# Altium PCB cheriot-test.PcbDoc (part 9 of 10) (continued)
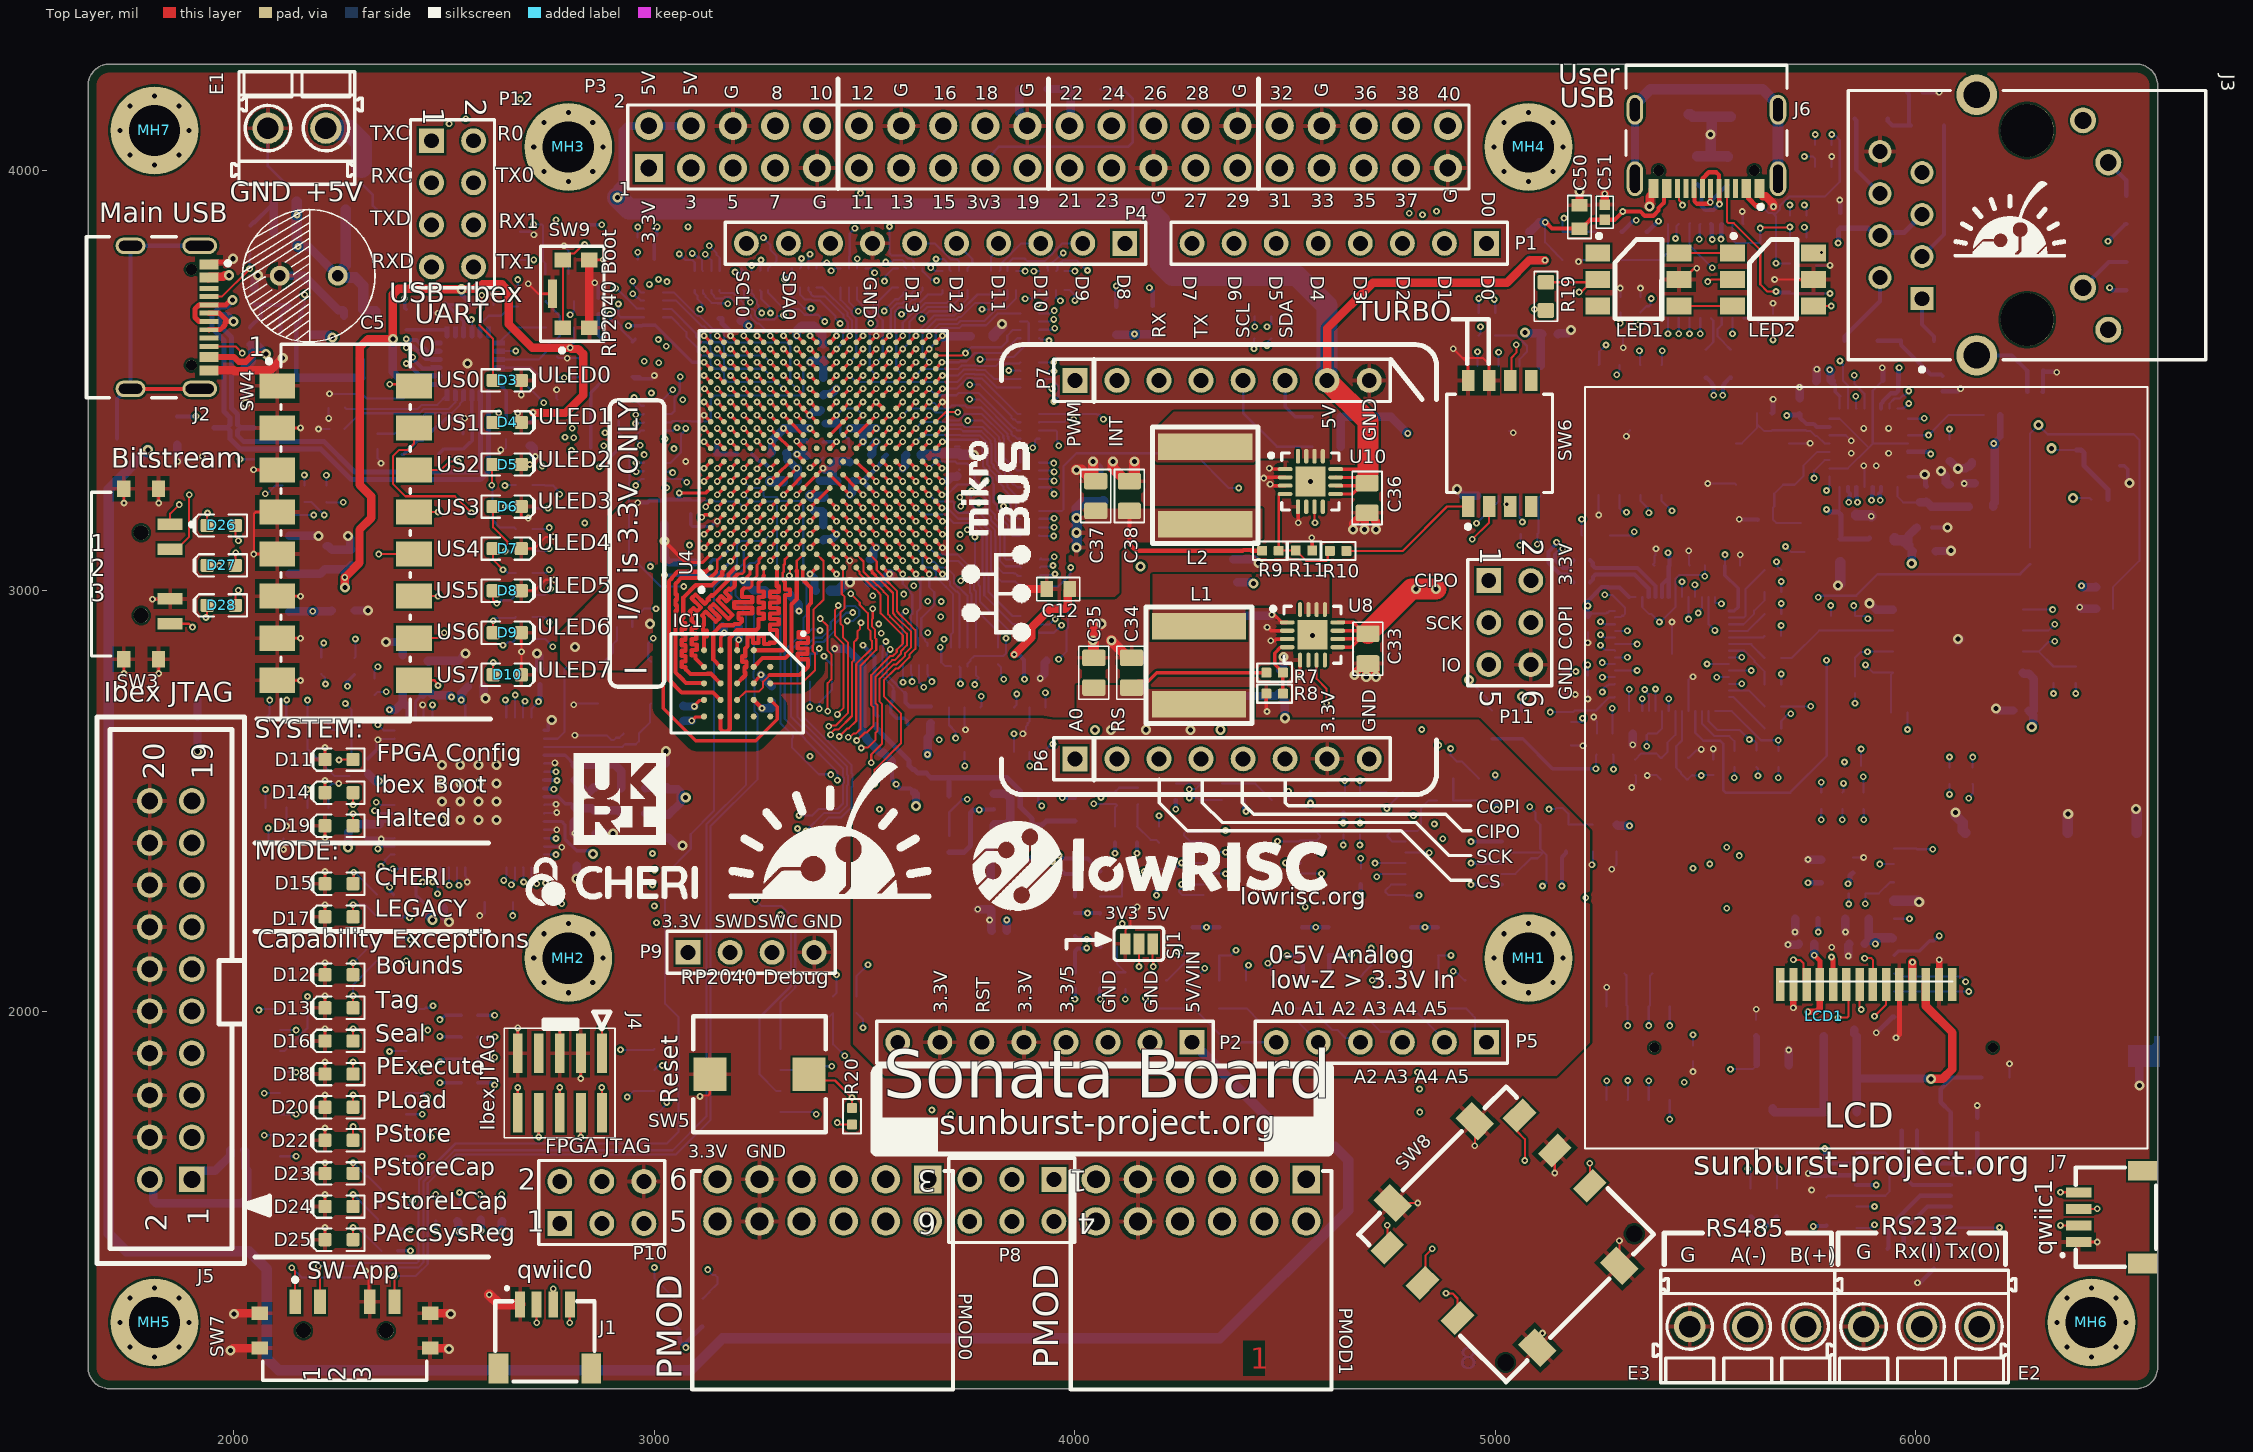
[diagram p0: Top Layer view]
## Nets (pads, with @x,y where several pads share a name; then routed paths per layer and width w, separated by ;. In a path a pad name is that pad's centre, name@x,y a point inside that pad or via, vN(x,y) a via of type N, cw(c..) or ccw(c..) an arc to the next point about the centre after c; other vN are vias at no path point) (continued)
  Bottom Layer w5: v1(5484.5,3835.58) 5485.85,3836.94 5485.85,3870.85 U13.4@5487.2,3872.2
USRUSB_SOFTCN: U4.H4 U13.2 | length 2606.5
  Top Layer w8: v1(3338.58,3133.86) U4.H4@3354.33,3149.61
  Int3 (Sign) w5: v1(3338.58,3133.86) 3354.08,3118.36 3439,3118.36 3448.64,3108.72 3448.64,3096.37 3458.3,3086.71 3470.64,3086.71 3480.32,3077.03 3480.32,3064.68 3490.02,3054.99 3502.36,3054.99 3512.06,3045.29 3512.06,3032.95 3537.62,3007.39 3599.32,3007.39 3610.44,2996.27 3635.21,2996.27 3643.94,3005 3742.77,3005 3749.68,3011.91 3886.03,3011.91 3890.55,3007.39 4026.68,3007.39 4107.98,3088.69 4107.98,3091.37 4136.98,3120.37 4139.66,3120.37 4454.29,3435 4701.51,3435 4829.19,3562.68 4829.19,3603.89 4980.3,3755 5345.81,3755 v1(5428.24,3837.43)
  Bottom Layer w5: v1(5428.24,3837.43) 5428.24,3840.41 5430.65,3842.82 5430.65,3866.83 U13.2@5436.02,3872.2
USRUSB_SPD: U4.G1 U13.10 | length 2792.4
  Top Layer w5: v1@3322.83,3033.68 v1(3321.08,3035.43) 3322.83,3037.19 U4.G1@3322.83,3055.12
  Int3 (Sign) w5: v1(3321.08,3035.43) 3354.82,3001.7 3356.91,3001.7 3359.24,2999.36 3359.24,2919.51 3367.58,2911.17 3367.58,2908.58 3376.66,2899.5 3386.15,2890.01 3432.99,2890.01 3446.5,2876.5 3473.48,2876.5 3480.56,2883.58 3487.64,2883.58 3495.38,2891.32 3508.22,2891.32 3515.97,2899.07 3515.97,2925.55 3526.8,2936.38 3586.4,2936.38 3587.38,2935.39 3646.98,2935.39 3682.24,2900.13 3701.42,2900.13 3703.61,2902.32 3846.93,2902.32 3902.6,2957.99 3943.43,2957.99 3943.71,2958.26 3964.83,2958.26 3965.11,2957.99 4019.7,2957.99 4137.98,3076.26 4137.98,3078.94 4149.4,3090.37 4152.08,3090.37 4466.72,3405 4713.93,3405 4756.24,3447.31 5243.98,3447.31 5358,3561.32 5358,3580.66 5404.02,3626.67 5548.47,3626.67 v1(5563.98,3611.17)
  Bottom Layer w5: v1(5563.98,3611.17) 5563.98,3618.14 U13.10@5563.98,3647.8
USRUSB_SUS: R32.1 U4.K2 U13.7 | length 2999.1
  Top Layer w5: v1(5629.92,3862.2) 5631.22,3863.51 5699.01,3863.51 v1(5700.32,3864.81)
  Top Layer w8: U4.K2@3417.32,3086.61 v1(3433.07,3070.87)
  Int3 (Sign) w5: v1(3433.07,3070.87) 3435.18,3068.76 3435.18,3059.19 3454.9,3039.46 3473.07,3039.46 3485.75,3026.79 3485.75,2998.77 3511.88,2972.64 3539.19,2972.64 3545.44,2966.39 3636.69,2966.39 3644.25,2958.83 3889.31,2958.83 3915.47,2985 4032.57,2985 4127.98,3080.41 4127.98,3083.09 4145.26,3100.37 4147.94,3100.37 4462.57,3415 4709.79,3415 4849.19,3554.4 4849.19,3595.6 4932.97,3679.39 4988.65,3679.39 4990.96,3677.08 5003.8,3677.08 5006.11,3679.39 5080.89,3679.39 5086.33,3684.83 5099.17,3684.83 5104.61,3679.39 5561.05,3679.39 5629.92,3748.26 v1(5629.92,3862.2)
  Bottom Layer w5: U13.7@5563.98,3872.2 5563.98,3834.65 5571.85,3826.77 5629.92,3826.77 v1(5629.92,3862.2) ; R32.1@5700.31,3840 5700.31,3857.85 v1(5700.32,3864.81)
USRUSB_V_N: U4.F6 U13.6 | length 3555.6
  Top Layer w8: v1(3275.59,3196.85) U4.F6@3291.34,3212.6
  Int1 (Sign) w6: v1(3275.59,3196.85) 3275.59,3235.03 3315.9,3275.34 3473.38,3275.34 3529.07,3331.04 3712.14,3331.04 3826.52,3445.42 3826.52,3457.7 3959.37,3590.55 4212.35,3590.55 4362.2,3740.41 4528.22,3740.41 4807.79,3460.84 4807.79,3395.75 4818.34,3385.2 4818.34,3362.83 4807.79,3352.28 4807.79,3324.59 4885,3247.37 4885,3236.72 4888.85,3232.86 4900.57,3221.15 4916.48,3221.15 4970.16,3167.47 4976,3167.47 5059.47,3084 5171.63,3084 5251.63,3164 5252.63,3164 5262,3173.37 5262,3174.37 5284.9,3197.27 5284.9,3197.77 5300.71,3213.58 5301.21,3213.58 5346.5,3258.87 5346.5,3551.62 5364.97,3570.08 5364.97,3577.06 5383.43,3595.52 5383.43,3670.63 5384.54,3671.73 5384.54,3684.99 5386.68,3687.13 5386.68,3773.24 5444.24,3830.81 5444.24,3833.51 5473.32,3862.58 5510.54,3862.58 5536.47,3836.65 v1(5536.47,3836.06)
  Bottom Layer w10: v1(5536.47,3836.06) 5537.24,3836.82 5537.24,3871.06 U13.6@5538.39,3872.2
USRUSB_V_P: U4.G6 U13.5 | length 3510.5
  Top Layer w8: v1(3307.09,3196.85) U4.G6@3322.83,3212.6
  Int1 (Sign) w6: v1(3307.09,3196.85) 3291.09,3212.85 3291.09,3234.97 3320.45,3264.34 3477.93,3264.34 3533.63,3320.04 3716.7,3320.04 3907.44,3510.78 3907.44,3523.06 3963.11,3578.74 4222.57,3578.74 4354.33,3710.5 4542.57,3710.5 4796.79,3456.29 4796.79,3391.2 4807.34,3380.64 4807.34,3367.39 4796.79,3356.84 4796.79,3295.59 5019.37,3073 5176.18,3073 5256.18,3153 5257.18,3153 5273,3168.82 5273,3169.82 5295.9,3192.71 5295.9,3193.21 5305.27,3202.58 5305.77,3202.58 5357.5,3254.32 5357.5,3547.06 5375.97,3565.53 5375.97,3572.5 5394.43,3590.97 5394.43,3666.07 5397.68,3669.32 5397.68,3768.69 5455.24,3826.25 5455.24,3828.95 5477.87,3851.58 5498.92,3851.58 v1(5515.5,3835)
  Bottom Layer w10: U13.5@5512.8,3872.2 5514.35,3870.65 5514.35,3836.15 v1(5515.5,3835)
USRUSB_VBUSDETECT: R23.2 R25.1 U4.K1 | length 4875.5
  Top Layer w8: U4.K1@3417.32,3055.12 v1(3433.07,3039.37)
  Int3 (Sign) w5: v1(3535.43,2480.32) 3561.67,2480.32 3574.67,2493.32 3574.67,2518.72 3579.83,2523.87 3581.22,2523.87 3590.3,2532.95 3590.3,2534.35 3650.69,2594.74 3656.03,2594.74 3665.11,2603.82 3665.11,2616.66 3661.67,2620.1 3661.67,2678.74 3667.93,2685 3678.83,2685 3680.99,2687.17 3693.83,2687.17 3696,2685 4023,2685 4035.79,2697.79 4048.75,2697.79 4417.17,3066.21 4417.17,3074.27 4519.89,3176.98 4533.36,3176.98 4631.87,3275.5 4901.42,3275.5 4901.92,3275 5027.92,3275 5032.89,3279.97 5251.42,3279.97 5282.52,3248.87 5429.7,3248.87 5456.82,3276 5510.06,3276 5630.69,3155.37 5630.69,3142.38 5683.58,3089.5 5749.5,3089.5 5769.5,3109.5 6001.42,3109.5 6050.5,3158.58 6050.5,3266.92 6040.5,3276.92 6040.5,3293.08 6050.5,3303.08 6050.5,3461.42 5941.92,3570 5930,3570 5860,3640 5860,3721.47 5813.91,3767.56 5813.91,3787.81 5767.81,3833.9 5748.68,3833.9 5733.6,3848.98 5728.43,3848.98 5719.35,3858.06 5719.35,3870.9 5724.19,3875.73 5724.19,3905.84 5719.32,3910.71 5719.32,3923.55 5724.19,3928.42 5724.19,3996.36 5740.32,4012.49 5740.32,4017.49 5736.92,4020.89 5736.92,4030.39 v1(5734.82,4032.49)
  Int4 (Sign) w5: v1(5734.82,4032.49) 5760.32,4057.99 v1(5760.32,4084.81)
  Int6 (Sign) w5: v1(3433.07,3039.37) 3433.07,3003.94 3459.89,2977.12 3464.36,2977.12 3491.81,2949.67 3491.81,2945.17 3507.87,2929.11 3507.87,2880.19 3511.56,2876.5 3511.56,2736.47 3531.5,2716.54 3531.5,2629.92 3541.5,2619.92 3541.5,2550.3 3541.14,2549.94 v1@3541.14,2480.32
  Bottom Layer w5: v1(3433.07,3039.37) v1@3433.66,3039.96 ; v1(5734.82,4032.49) 5754.81,4032.49 5760.31,4026.99 R25.1@5760.31,4007.68 ; R23.2@5760.31,4060 5760.31,4077.85 v1(5760.32,4084.81)
USRUSB_VMO: U4.G3 U13.14 | length 2770.1
  Top Layer w8: v1(3307.09,3102.36) U4.G3@3322.83,3118.11
  Int3 (Sign) w5: v1(3307.09,3102.36) 3305.72,3100.99 3305.72,3041.99 3305.58,3041.85 3305.58,3029.01 3305.72,3028.87 3305.72,2942.36 3368.07,2880.01 3397.81,2880.01 3411.98,2865.85 3411.98,2861.91 3413.63,2860.25 3413.63,2855.78 3422.71,2846.7 3427.18,2846.7 3435.86,2838.03 3586.04,2838.03 3593.01,2845 3816.76,2845 3919.74,2947.99 3947.57,2947.99 3947.85,2948.26 3960.69,2948.26 3960.97,2947.99 4023.84,2947.99 4114.15,3038.3 4164.05,3038.3 4315.08,3189.33 4315.08,3233.76 4476.32,3395 4718.08,3395 4760.38,3437.31 5248.13,3437.31 5338.46,3527.64 5378.08,3527.64 v1(5461.61,3611.17)
  Bottom Layer w5: v1(5461.61,3611.17) 5461.61,3618.14 U13.14@5461.61,3647.8
USRUSB_VPO: U4.G4 U13.13 | length 2855.1
  Top Layer w8: v1(3307.09,3133.86) U4.G4@3322.83,3149.61
  Int3 (Sign) w5: v1(3307.09,3133.86) 3291.59,3118.36 3291.59,3033.63 3293.13,3032.08 3293.13,2936.21 3387.78,2841.57 3387.78,2837.8 3396.86,2828.72 3400.62,2828.72 3401.31,2828.03 3590.18,2828.03 3597.15,2835 3820.9,2835 3849.56,2863.66 3953.66,2863.66 4118.3,3028.3 4168.2,3028.3 4325.08,3185.18 4325.08,3229.62 4480.46,3385 4722.22,3385 4764.53,3427.31 5252.27,3427.31 5342.6,3517.64 5393.67,3517.64 v1(5487.2,3611.17)
  Bottom Layer w5: v1(5487.2,3611.17) U13.13@5487.2,3647.8
VCC1V8: C14.1 C15.1 C16.1 C17.1 C18.1 C19.1 C20.1 C31.1 C32.1 C53.1 C66.1 C67.1 C68.1 C123.1 C127.1 C131.1 C132.1 C133.1 IC1.B4 IC1.D1 IC1.E4 L8.1 R30.2 R32.2 R211.1 U4.A7 U4.C3 U4.D6 U4.E8 U4.F2 U4.F12 U4.G5 U4.H12 U4.J1 U4.K12 U4.M12 U6.5 U6.23 U6.25 U6.30 U9.2 U9.4 U13.9 | length 5269.2
  Top Layer w8: v1(3059.06,3232.28) 3122.05,3232.28 U4.A7@3133.86,3244.09 ; v1@3093.8,2724.9 3107.81,2738.9 3116.85,2738.9 IC1.E4@3118.11,2740.16 ; IC1.D1@3157.48,2858.27 3157.48,2888.84 3166.46,2897.82 v1(3166.46,2899.98) ; v1(3181.1,3102.36) U4.C3@3196.85,3118.11 ; v1(3212.6,3196.85) U4.D6@3228.35,3212.6 ; v1(3244.09,3259.84) U4.E8@3259.84,3275.59 ; v1(3275.59,3070.87) U4.F2@3291.34,3086.61 ; v1(3275.59,3417.32) U4.F12@3291.34,3401.57 ; v1(3307.09,3165.35) U4.G5@3322.83,3181.1 ; v1(3338.58,3417.32) U4.H12@3354.33,3401.57 ; v1(3370.08,3039.37) U4.J1@3385.83,3055.12 ; U4.K12@3417.32,3401.57 v1(3433.07,3417.32) ; U4.M12@3480.32,3401.57 v1(3496.06,3417.32)
  Top Layer w10: IC1.B4@3236.22,2740.16 3236.22,2740 3255.78,2720.44 v1(3255.78,2720.28)
  Int4 (Sign) w12: v1(5660,3596.29) 5692.95,3563.34 v1(5692.95,3416.52)
  Int4 (Sign) w20: v1(5660,3596.29) 5706.53,3596.29 5734.82,3624.58 ; v1(5734.82,3917.13) 5734.82,3624.58 ; v1(5794.89,3525.65) 5794.89,3564.51 5734.82,3624.58 ; v1(6185,3350) 6060,3350 v1(6035,3325) 5986.02,3325 5972.44,3338.58 5972.44,3413.39 5960,3425.83 v1(5960,3530) 5960,3563.62 5899.04,3624.58 5734.82,3624.58
  Int4 (Sign) w25: v2(4155.98,3057.8) 4153.54,3060.23 4153.54,3089.66 4168.19,3104.3 4548.61,3104.3 4552.43,3100.48 4726.47,3100.48 4905.51,3279.53 5484.25,3279.53 5594.49,3389.76 5594.49,3551.18 5639.6,3596.29 v1(5660,3596.29)
  Int6 (Sign) w5: v1(3212.6,3196.85) 3228.35,3181.1 3291.34,3181.1
  Int6 (Sign) w8: 3291.34,3181.1 v1(3307.09,3165.35)
  Bottom Layer w5: C18.1@3084.26,3216.85 3086.36,3214.75 3141.29,3214.75 3143.68,3212.35 3197.1,3212.35 v1(3212.6,3196.85) ; v1(3433.07,3417.32) 3448.57,3432.82 3480.56,3432.82 v1(3496.06,3417.32) ; U13.9@5589.57,3647.8 5616.5,3647.8 5642.41,3621.89 C53.1@5660,3621.89 v1(5660,3596.29) ; v1(5734.82,3917.13) 5734.82,3916.5 5739.69,3911.63 5739.69,3910.16 R30.2@5739.69,3892.32 ; v1(5734.85,3864.48) 5734.85,3864.14 5739.69,3859.31 5739.69,3857.85 R32.2@5739.69,3840 ; U6.25@5818.66,3433.51 5818.66,3462.41
  Bottom Layer w6: v1(3433.07,3417.32) 3434.98,3415.41 3434.98,3400.95 3442.51,3393.43 3442.51,3374.82 3449.51,3367.83 3453.59,3367.83 3462.39,3359.03 3462.39,3343.13 C16.1@3464.57,3340.94
  Bottom Layer w8: 3055.12,3216.85 3057.52,3219.26 3057.52,3230.75 v1(3059.06,3232.28) ; C15.1@3132.28,3066.93 3138.67,3073.32 3152.06,3073.32 3152.5,3073.76 v1(3181.1,3102.36) ; C133.1@5799.55,3498.39 5808.15,3489.79 5808.15,3472.93 5818.66,3462.41
  Bottom Layer w10: v1(2960.5,3209) 2960.99,3209.49 2983.5,3209.49 2988.5,3214.49 C20.1@3023.62,3214.49 3025.98,3216.85 3055.12,3216.85 C18.1@3084.26,3216.85 ; C132.1@5725,3420 5725,3410.94 5739.65,3396.29 5757.25,3396.29 5764.33,3389.21 U6.23@5794.05,3389.21 ; U6.30@5917.09,3433.51 5917.09,3444.12 5922.06,3449.1 5922.06,3450.8 5940.68,3469.41 5952.25,3469.41 5958.11,3475.27 C131.1@5958.11,3500 ; U6.5@5981.07,3330.16 6029.84,3330.16 v1(6035,3325)
  Bottom Layer w12: v1(5692.95,3416.52) 5693.72,3417.29 5718.8,3417.29 C132.1@5723.33,3421.81 ; C131.1@5958.11,3500 5958.11,3527.03 5960,3528.92 v1(5960,3530)
  Bottom Layer w15: v1(6185,3350) 6185,3350.27 6200.79,3366.06 R211.1@6200.79,3417.32
  Bottom Layer w20: C68.1@3068.23,2725.89 3069.6,2724.52 v1(3095.19,2724.52) ; C67.1@3161.89,2915 3164.49,2912.4 3164.49,2901.95 v1(3166.46,2899.98) ; v1(3255.78,2720.28) 3279.53,2720.28 C66.1@3279.53,2736.22 ; C19.1@3322.52,2992.13 3322.52,2988.19 3343.74,2966.97 v1(3343.74,2951.7) ; v1(3370.08,3039.37) 3380.87,3028.58 3380.87,3002.6 C14.1@3383.46,3000 ; C17.1@3407.33,3397.63 3429.13,3397.63 3433.07,3401.57 ; v1(5794.89,3525.65) 5796.95,3523.59 5796.95,3500.99 C133.1@5799.55,3498.39 ; L8.1@6183.74,3200 6183.74,3205.51 6187.56,3209.33 C123.1@6187.56,3305 6187.56,3347.44 v1(6185,3350)
  other v2: 4048.01,2668.29 4346.46,2669.29 2811.02,2866.14 2989.5,2921.25
VCC_1V8A: C124.1 C128.1 L8.2 U6.9 | length 204.1
  Bottom Layer w5: U6.9@5956.46,3246.49 5956.46,3223.54 5970,3210 6008.78,3210
  Bottom Layer w20: 6008.78,3210 6023.11,3210 C128.1@6025,3211.89 6036.89,3200 L8.2@6126.26,3200
VCCINT: C6.1 C7.1 C8.1 C9.1 C10.1 C11.1 C12.1 C13.1 C37.1 C38.1 L2.2 R9.1 U4.F8 U4.F10 U4.G7 U4.G9 U4.G11 U4.H8 U4.J7 U4.J11 U4.K8 U4.L7 U4.L11 U4.M8 U4.M10 U4.N7 U4.N9 U4.N11 | length 1779.4
  Top Layer w8: v1(3275.59,3259.84) U4.F8@3291.34,3275.59 U4.G9@3322.83,3307.09 ; v1(3275.59,3355.54) 3275.59,3354.93 3291.34,3339.18 U4.F10@3291.34,3338.58 ; v1(3307.09,3228.35) U4.G7@3322.83,3244.09 U4.H8@3354.33,3275.59 ; v1(3307.09,3385.83) U4.G11@3322.83,3370.08 ; v1(3370.08,3227.14) 3370.08,3227.74 3385.83,3243.49 U4.J7@3385.83,3244.09 ; v1(3370.08,3385.83) U4.J11@3385.83,3370.08 ; U4.K8@3417.32,3275.59 U4.L7@3448.82,3244.09 v1(3464.57,3228.35) ; U4.L11@3448.82,3370.08 v1(3464.57,3385.83) ; U4.M8@3480.32,3275.59 v1(3496.06,3259.84) ; U4.M10@3480.32,3338.58 v1(3496.06,3354.33) ; U4.N7@3511.81,3244.09 v1(3527.56,3228.35) ; U4.N9@3511.81,3307.09 v1(3527.56,3291.34) ; U4.N11@3511.81,3370.08 v1(3527.56,3385.83)
  Top Layer w10: C38.1@4129.57,3189.57 4129.57,3110.43 4145,3095 4398.53,3095 4400.34,3096.8 4418.56,3096.8 4420.36,3095 R9.1@4445.31,3095
  Top Layer w20: v1(3855.98,2848.16) 3896.49,2888.67 3896.49,2912.24 3940.94,2956.69 3976.47,2956.69 3983.43,2963.64 3983.43,2999.17 C12.1@3988.19,3003.94
  Bottom Layer w10: v1(3855.98,2848.16) 3857.6,2848.16 3859.14,2846.63 3867.68,2846.63 3878.85,2835.45 3878.85,2790.65 v1(3880,2789.5)
  Bottom Layer w12: C8.1@3471.31,3260.61 3471.7,3260.23 3495.13,3260.23 v1@3495.79,3259.57 ; v1(3527.56,3228.35) v1(3496.06,3259.84) v1(3527.56,3291.34) 3544.98,3308.76 3544.98,3316.24 C9.1@3551.58,3322.83
  Bottom Layer w20: C7.1@3277.17,3326.77 3279.76,3329.37 3279.76,3357.47 3307.09,3384.8 v1(3307.09,3385.83) v1(3370.08,3385.83) ; v1(3464.57,3228.35) 3470.26,3234.04 3470.26,3259.55 C8.1@3471.31,3260.61 ; v1(3464.57,3385.83) 3496.06,3385.83 ; v1(3496.06,3354.33) 3496.06,3385.83 ; v1(3527.56,3385.83) 3496.06,3385.83
  Bottom Layer w25: v1(3275.59,3259.84) C6.1@3304.72,3259.84 ; v1(3370.08,3227.14) 3374.29,3222.93 3401.48,3222.93 C10.1@3401.57,3222.83 ; v2(4003.94,3102.36) v2(4003.94,3137.8) v2(4003.94,3173.23) 4003.94,3195.69 4018.58,3210.33 4064.67,3210.33 C13.1@4066.93,3212.6
VCCOPAMP: C97.1 C99.1 C101.1 C102.1 R82.2 U20.4 U21.4 U21.10 U21.12 | length 2066.9
  Int3 (Sign) w20: v1(4253.46,2352.63) 4393.53,2352.63 4416.53,2329.63 4556.61,2329.63 4577.02,2350.04 4590.89,2350.04 4604.56,2363.71 v1(4680,2363.71) 4759.94,2363.71 ; v1(5082,2486) 5056.19,2511.81 4807.09,2511.81 4771.65,2476.38 4771.65,2375.43 4759.94,2363.71 ; v1(5111.89,2297.81) 5010.41,2297.81 4980.31,2267.72 4889.76,2267.72 4793.77,2363.71 4759.94,2363.71
  Bottom Layer w5: v1(4165,2332) 4167.98,2332 4173.77,2337.8 C97.1@4194.19,2337.8 4238.62,2337.8 v1(4253.46,2352.63) U20.4@4305.83,2352.63 ; C99.1@4680,2338.11 v1(4680,2363.71) ; v1(4713.65,2352.15) U21.4@4786.58,2352.15 ; U21.12@5014.93,2326.56 5047.41,2326.56 5084.55,2363.7 5100.51,2363.7 5112.77,2375.97 C101.1@5112.77,2379.9 ; U21.10@5014.93,2377.74 5110.61,2377.74 C101.1@5112.77,2379.9 ; v1(5082,2486) 5095.75,2472.25 5095.75,2454.74 R82.2@5106.54,2443.95 5106.54,2386.14 C101.1@5112.77,2379.9 ; v1(5111.89,2297.81) 5114.7,2297.81 5121.89,2305 5121.89,2370.79 C101.1@5112.77,2379.9
VCCUSB3V3: C40.1 C41.1 C42.1 C43.1 C44.1 C45.1 C46.1 R15.1 R18.1 R72.2 R203.2 U2.2 U2.4 U12.1 U12.9 U12.18 | length 6591.5
  Top Layer w20: v2(2263.78,3007.87) v1(2263.78,3031.5) 2298.65,3066.37 2298.65,3145.11 2326.77,3173.23 2326.77,3224.41 2299.21,3251.97 2299.21,3578.74 2318.9,3598.43 v2(2377.95,3598.43) 2377.95,3704.82 2390.91,3717.77 2467.24,3717.77 2468.29,3716.72 v2(2540.91,3716.72) 2541.68,3717.48 2572.16,3717.48 2580.15,3725.47 2588.44,3725.47 2591.32,3728.35 2637.8,3728.35 2653.54,3712.6 2653.54,3633.86 2709.9,3577.5 v1(2799.5,3577.5) 2802.2,3574.8 2818.99,3574.8 2830.71,3563.09 2830.71,3464.57 2788.64,3422.5 2712.43,3422.5 v1(2711.24,3423.7)
  Int1 (Sign) w5: v2(2540.91,3716.72) 2540.91,3746.72 2532.97,3754.66 2532.97,4005.41 2560.53,4032.97 2585.34,4032.97 2681.1,4128.74 v1(2681.1,4169.29)
  Int6 (Sign) w5: v1(2681.1,4169.29) 2685.25,4169.29 2692.91,4176.95 2845.74,4176.95 2855.74,4166.95 4697.25,4166.95 4743.11,4121.09 4743.11,4091.08 4778.11,4056.08 4808.12,4056.08 4846.04,4018.16 4846.04,3964.98 4933.07,3877.95 4933.07,3791.34 4952.76,3771.65 5073,3771.65 5242.55,3602.11 5242.55,3581.39 5303.88,3520.05 5303.88,3403.52 5327.4,3380.01 5327.4,3172.4 5330.5,3169.3 v1(5330.5,3140)
  Int6 (Sign) w20: v1(2799.5,3577.5) v1(2799.5,3656.01)
  Bottom Layer w5: v1(2799.5,3577.5) 2799.5,3580.48 2808.6,3589.57 R18.1@2808.6,3625.56 ; v1(2799.5,3656.01) 2800.45,3656.01 2808.46,3664.02 R72.2@2808.46,3688.63 ; R15.1@5272.76,3131.5 5328.52,3131.5 5328.52,3138.02 v1(5330.5,3140)
  Bottom Layer w8: C44.1@2405,3493.11 2407.48,3490.63 U12.1@2482.04,3490.63 ; C46.1@2502.24,3685 C46.1@2507.24,3680 ; U12.9@2546.31,3613.96 2546.31,3640.93 C46.1@2507.24,3680 ; C45.1@2562.44,3680 C46.1@2507.24,3680 ; U12.18@2630.83,3490.63 2647.51,3473.95 C43.1@2647.51,3396.59 2650.48,3399.56 C42.1@2704,3399.56 ; C42.1@2704.44,3400 2711.24,3406.79 v1(2711.24,3423.7)
  Bottom Layer w12: v2(2540.91,3716.72) 2540.91,3705.47 2562.44,3683.94 C45.1@2562.44,3680
  Bottom Layer w20: R203.2@1913.39,2700.79 1913.39,2740.16 ; U2.2@2132.05,3040.01 2205.36,3040.01 2216.54,3051.18 C41.1@2220.47,3051.18 C40.1@2270.08,3051.18 ; v2(2263.78,3007.87) 2264.54,3008.64 2264.54,3045.65 C40.1@2270.08,3051.18 ; C40.1@2279.53,3060.63 C40.1@2270.08,3051.18 ; v2(2377.95,3598.43) 2377.95,3520.16 C44.1@2405,3493.11
XADC_VREF_N: C60.2 C140.2 R195.2 U4.J9 | length 868.2
  Top Layer w10: v1(3370.08,3292.54) 3371.23,3293.69 3373.64,3293.69 3384.22,3304.28 3384.22,3304.46 3385.83,3306.06 U4.J9@3385.83,3307.09
  Int4 (Sign) w5: v1(3370.08,3292.54) 3391.94,3270.69 3391.94,3242.76 3396.58,3238.12 3396.58,3028.39 3391.94,3023.75 3391.94,2957.83 3409.7,2940.06 3409.7,2912.24 3431.15,2890.78 3431.15,2882.23 3452.48,2860.91 3459.8,2860.91 3466.38,2854.33 3475.75,2854.33 3485.5,2844.58 3506.63,2844.58 3510.35,2848.3 3518.74,2848.3 3519.72,2849.28 3549.88,2849.28 v1(3560.93,2860.33)
  Bottom Layer w5: v1(3370.08,3292.54) 3383.97,3306.44 3391.48,3306.44 C140.2@3401.57,3316.54 ; v1(3560.93,2860.33) 3560.93,2860.19 3552.64,2851.9 3552.64,2800.24 3575.88,2777.01 3575.88,2776.11 3578.75,2773.24 3578.75,2772.41 3595.23,2755.93 3596.24,2755.93
  Bottom Layer w10: 3596.24,2755.93 3597.18,2755 3597.18,2734.2 C60.2@3598.11,2733.26 3606.96,2724.41 R195.2@3657.48,2724.41
XADC_VREF_P: C60.1 C140.1 U4.K10 U14.2 | length 934.7
  Top Layer w10: U4.K10@3417.32,3338.58 v1(3433.06,3354.34)
  Int4 (Sign) w5: v1(3433.06,3354.34) 3433.06,3295.27 3401.94,3264.14 3401.94,3246.9 3406.58,3242.26 3406.58,3024.25 3401.94,3019.61 3401.94,2961.97 3419.7,2944.21 3419.7,2916.56 3441.15,2895.11 3441.15,2886.37 3456.62,2870.91 3465.36,2870.91 3470.12,2866.14 3478.08,2866.14 3489.64,2854.58 3502.48,2854.58 3506.2,2858.3 3514.6,2858.3 3518.25,2861.95 3539.34,2861.95 3543.58,2866.2 3543.58,2869.37 3550.54,2876.33 v1(3550.54,2879.04)
  Bottom Layer w5: v1(3550.54,2879.04) 3550.54,2876.06 3543.31,2868.82 3543.31,2856.85 3542.64,2856.19 3542.64,2796.1 3565.88,2772.86 3565.88,2771.97 3568.75,2769.1 3568.75,2760.02
  Bottom Layer w8: C140.1@3401.57,3352.76 3403.16,3354.34 v1(3433.06,3354.34) ; C60.1@3561.89,2733.26 3561.89,2709.76 3574.87,2696.79 3594.55,2696.79 3602.36,2688.98 U14.2@3602.36,2681.1
  Bottom Layer w10: C60.1@3561.89,2733.26 3568.75,2740.12 3568.75,2760.02
pads on no net: C33.0 C34.0 C35.0 C36.0 C37.0 C38.0 D3.0 D4.0 D5.0 D6.0 D7.0 D8.0 D9.0 D10.0 D11.0 D12.0 D13.0 D14.0 D15.0 D16.0 D17.0 D18.0 D19.0 D20.0 D22.0 D23.0 D24.0 D25.0 D26.0 D27.0 D28.0 IC1.A2 IC1.A5 IC1.B5 IC1.C2 IC1.C5 J1.5 J1.6 J2. J2.A8 J2.B8 J3. J3.7 J4.7 J5.17 J5.19 J6. J6.A8 J6.B8 J7.5 J7.6 LCD1.1 LCD1.14 LCD1.MH1 LCD1.MH2 LED1.1 LED1.3 MH1.1 MH2.1 MH3.1 MH4.1 MH5.1 MH6.1 MH7.1 P2.8 P4.8 R1.0 R2.0 R3.0 R4.0 R5.0 R6.0 R7.0 R8.0 R9.0 R10.0 R11.0 R12.0 R13.0 R14.0 R15.0 R16.0 R17.0 R18.0 R19.0 R20.0 R21.0 R22.0 R23.0 R24.0 R25.0 R26.0 R27.0 R28.0 R29.0 R30.0 R31.0 R32.0 R33.0 R34.0 R35.0 R36.0 R37.0 R38.0 R39.0 R40.0 R41.0 R42.0 R43.0 R44.0 R45.0 R46.0 R47.0 R48.0 R49.0 R50.0 R51.0 R52.0 R53.0 R54.0 R55.0 R56.0 R57.0 R58.0 R59.0 R60.0 R61.0 R62.0 R63.0 R64.0 R65.0 R66.0 R67.0 R68.0 R69.0 R70.0 R71.0 R72.0 R73.0 R74.0 R75.0 R76.0 R77.0 R78.0 R79.0 R80.0 R81.0 R82.0 R83.0 R84.0 R85.0 R86.0 R87.0 R88.0 R89.0 R90.0 R91.0 R92.0 R93.0 R94.0 R95.0 R96.0 R97.0 R98.0 R99.0 R100.0 R101.0 R102.0 R103.0 R104.0 R105.0 R106.0 R107.0 R108.0 R109.0 R110.0 R111.0 R112.0 R113.0 R114.0 R115.0 R116.0 R117.0 R118.0 R119.0 R120.0 R121.0 R122.0 R123.0 R124.0 R125.0 R126.0 R127.0 R128.0 R129.0 R130.0 R131.0 R132.0 R133.0 R134.0 R135.0 R136.0 R137.0 R138.0 R139.0 R140.0 R141.0 R142.0 R143.0 R144.0 R145.0 R146.0 R147.0 R148.0 R149.0 R150.0 R151.0 R152.0 R153.0 R154.0 R155.0 R156.0 R157.0 R158.0 R159.0 R160.0 R161.0 R162.0 R163.0 R164.0 R165.0 R166.0 R167.0 R168.0 R169.0 R171.0 R184.4A R184.4B R186.0 R187.0 R192.0 R193.0 R195.0 R196.0 R197.0 R198.0 R199.0 R200.0 R201.0 R202.0 R203.0 R204.0 R205.0 R206.0 R207.0 R208.0 R209.0 R210.0 R211.0 R212.0 R213.0 SW3. SW6.4 SW6.5 SW7. SW8.MH1 SW8.MH2 U4.J10 U4.K9 U4.L9 U4.L10 U5.21 U5.22 U5.23 U5.24 U5.36 U5.40 U5.41 U5.43 U5.44 U5.45 U5.46 U5.53 U5.54 U5.55 U5.57 U5.58 U5.59 U5.60 U6.2 U6.6 U6.7 U6.10 U7.10 U8.6 U8.8 U8.16 U10.6 U10.8 U10.16 U11.27 U11.30 U12.6 U12.8 U12.12 U21.8 U21.14 U23.1 U23.3

## Polygon pours and split planes (outlines as drawn)
GND on Top Layer "GND_L01_P019" (solid, pour order 19): 1523.62,4543.31 1586.61,4480.31 6889.76,4480.31 6889.76,1102.36 6409.45,622.05 6385.83,645.67 1562.99,645.67 1562.99,4220.47 1409.45,4374.02
3V3_FTDI on Top Layer "3V3_FTDI_L01_P016" (solid, remove dead copper, pour order 16): 3952.76,2692.91 4960.63,2692.91 5224.41,2429.13 5224.41,1925.2 5145.67,1846.46 3547.24,1846.46 3472.44,1921.26 3472.44,2547.24 3622.05,2696.85 3925.2,2696.85
3V3_FTDI on Top Layer "SMPS_POLY_3V3" (solid, pour order 1): 4175.98,2765 4162.56,2778.43 4159.13,2775 4005,2775 4005,2655 4015,2645 4415,2645 4425,2655 4425,2765
NetL1_1 on Top Layer "SMPS_POLY_NETL1_1" (solid, pour order 0): 4605,2945 4485,2945 4465,2965 4415,2965 4405,2955 4405,2905 4185,2905 4185,3038.68 4408.68,3038.68 4605,3038.68
VCCINT on Top Layer "SMPS_POLY_VCCINT" (solid, pour order 4): 4445,3195 4445,3125 4435,3115 4125,3115 4105,3095 4105,2995 4095,2985 4005,2985 3985,3005 3985,3195
VCC1V8 on Top Layer "VCC1V8_L01_P015" (solid, pour order 15): 3007.87,3216.54 3007.87,2870.08 2948.82,2811.02 2799.21,2811.02 2775.59,2834.65 2775.59,2901.57 2893.7,3019.69 2893.7,3177.17 2897.64,3177.17 2937.01,3216.54
NetL2_1 on Top Layer "SMPS_POLY_NETL2" (solid, pour order 2): 4605,3315 4435,3315 4425,3305 4195,3305 4185,3315 4185,3375 4235.2,3425.2 4605,3425.2
VCCINT on Int3 (Sign) "VCCINT_L04_P009" (solid, pour order 9): 3515.75,3401.57 3866.14,3401.57 4023.62,3244.09 4023.62,3078.74 3972.44,3078.74 3952.76,3098.43 3822.83,3098.43 3712.6,3208.66 3543.31,3208.66
VCCINT on Int3 (Sign) "VCCINT_L04_P007" (solid, pour order 7): 3244.09,3355.54 3290.13,3401.57 3535.43,3401.57 3543.31,3393.7 3543.31,3208.66 3358.27,3208.66 3350.39,3216.54 3263.78,3216.54 3236.47,3243.85 3228.59,3243.85 3228.59,3334.89 3236.22,3342.52
GND on Bottom Layer "GND_L08_P020" (solid, pour order 20): 1665.35,4551.18 1807.09,4409.45 7086.61,4409.45 7086.61,968.5 6755.91,637.8 1496.06,637.8 1496.06,4299.21 1452.76,4342.52
VCCUSB3V3 on Bottom Layer "VCCUSB3V3_THERMAL" (solid, pour order 12): 1740.16,3279.53 1748.03,3271.65 2000,3271.65 2062.99,3208.66 2062.99,3114.17 2102.36,3074.8 2208.66,3074.8 2220.47,3062.99 2220.47,3027.56 2208.66,3015.75 2090.55,3015.75 2078.74,3003.94 2078.74,2791.34 2007.87,2720.47 1740.16,2720.47 1712.6,2748.03 1712.6,3283.46
VCC1V8 on Bottom Layer "VCC1V8_THERMAL" (solid, pour order 11): 4043.31,3188.98 4047.24,3192.91 4299.21,3192.91 4330.71,3161.42 4464.57,3161.42 4562.99,3062.99 4893.7,3062.99 4909.45,3047.24 4909.45,2700.79 4913.39,2696.85 4909.45,2692.91 4696.85,2692.91 4641.73,2637.8 4031.5,2637.8 4007.87,2661.42 4007.87,3066.93 4043.31,3102.36
VCC1V8 on Int1 (Sign) "VCC1V8_L02_P014" (solid, remove dead copper, pour order 14): 2996.06,3444.88 3744.09,3444.88 4255.91,2933.07 4472.44,2933.07 4589.9,2815.62 4589.9,2652.89 4515.97,2578.96 2889.55,2578.96 2787.4,2681.1 2799.21,2692.91 2799.21,3417.32
GND on Int2 (GND) "GND_L03_P006" (solid, pour order 6): 1673.23,4222.44 1683.07,4232.28 6535.43,4232.28 6555.12,4212.6 6555.12,1141.73 6535.43,1122.05 1692.91,1122.05 1673.23,1141.73
3V3_FTDI on Int5 (PWR) "3V3_FTDI_L06_P018" (solid, pour order 18): 1594.49,4401.57 1688.98,4307.09 6751.97,4307.09 6751.97,937.01 6700.79,885.83 6661.42,925.2 1472.44,925.2

## Other copper
Top Layer:
  text "1" at 4417.51,1149.8 h50
Int1 (Sign):
  text "2" at 4484.44,1149.8 h50
Int3 (Sign):
  text "4" at 4626.17,1149.8 h50
Int4 (Sign):
  text "5" at 4700.98,1149.8 h50
Int6 (Sign):
  text "7" at 4842.71,1149.8 h50
Int2 (GND):
  pour cut-out: 4401.57,1212.6 4956.69,1212.6 4956.69,1125.98 4960.63,1122.05 4952.76,1114.17 4401.57,1114.17
  text "3" at 4555.31,1149.8 h50
Int5 (PWR):
  pour cut-out: 4405.51,1216.54 4960.63,1216.54 4968.5,1208.66 4968.5,1114.17 4405.51,1114.17 4401.57,1118.11
  text "6" at 4775.78,1149.8 h50
Bottom Layer:
  text "8" at 4913.57,1149.8 h50